# KiCad board mist1010.kicad_pcb
title: MIST.1010; date: 2024-12-15; rev: C; company: Eugene Lozovoy; note: Thickness: 1.6mm; note: Layers: 2; note: Dimensions: 100x100mm; note: Min clearance: 0.2mm; note: Min track: 0.2mm; note: Min hole: 0.3mm; note: Min annular ring: 0.15mm
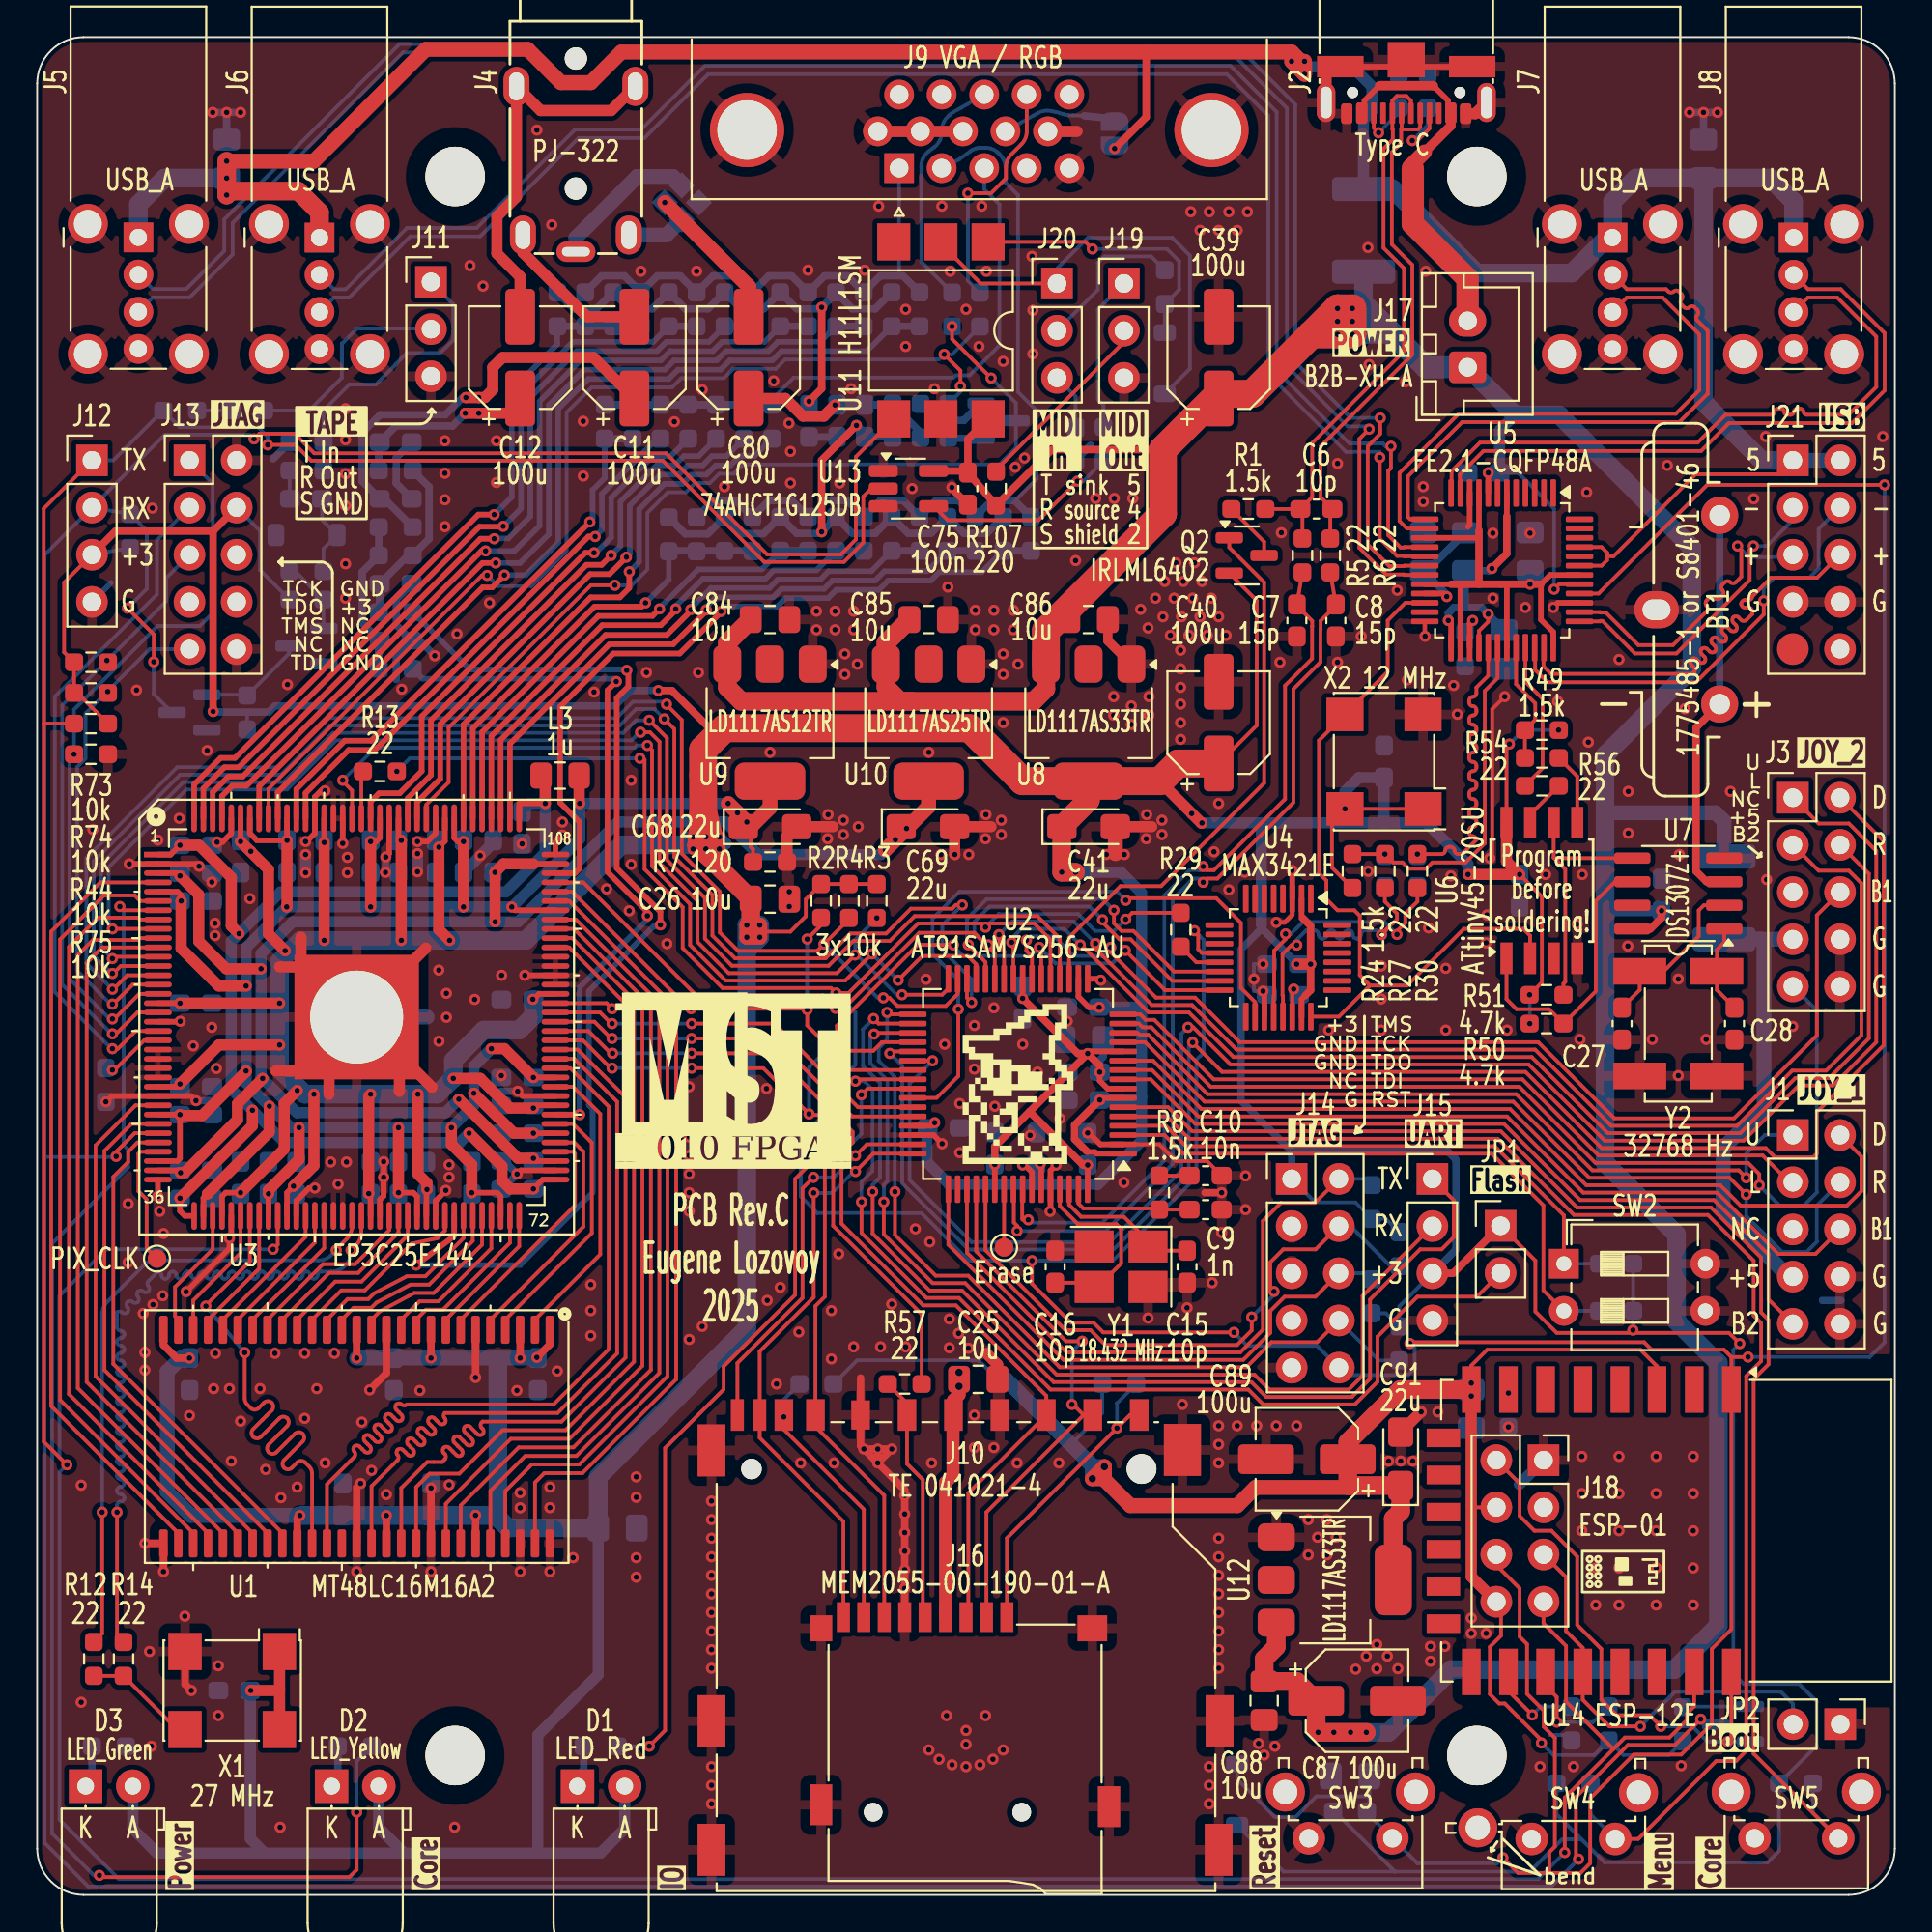
[diagram p0: board, top side]
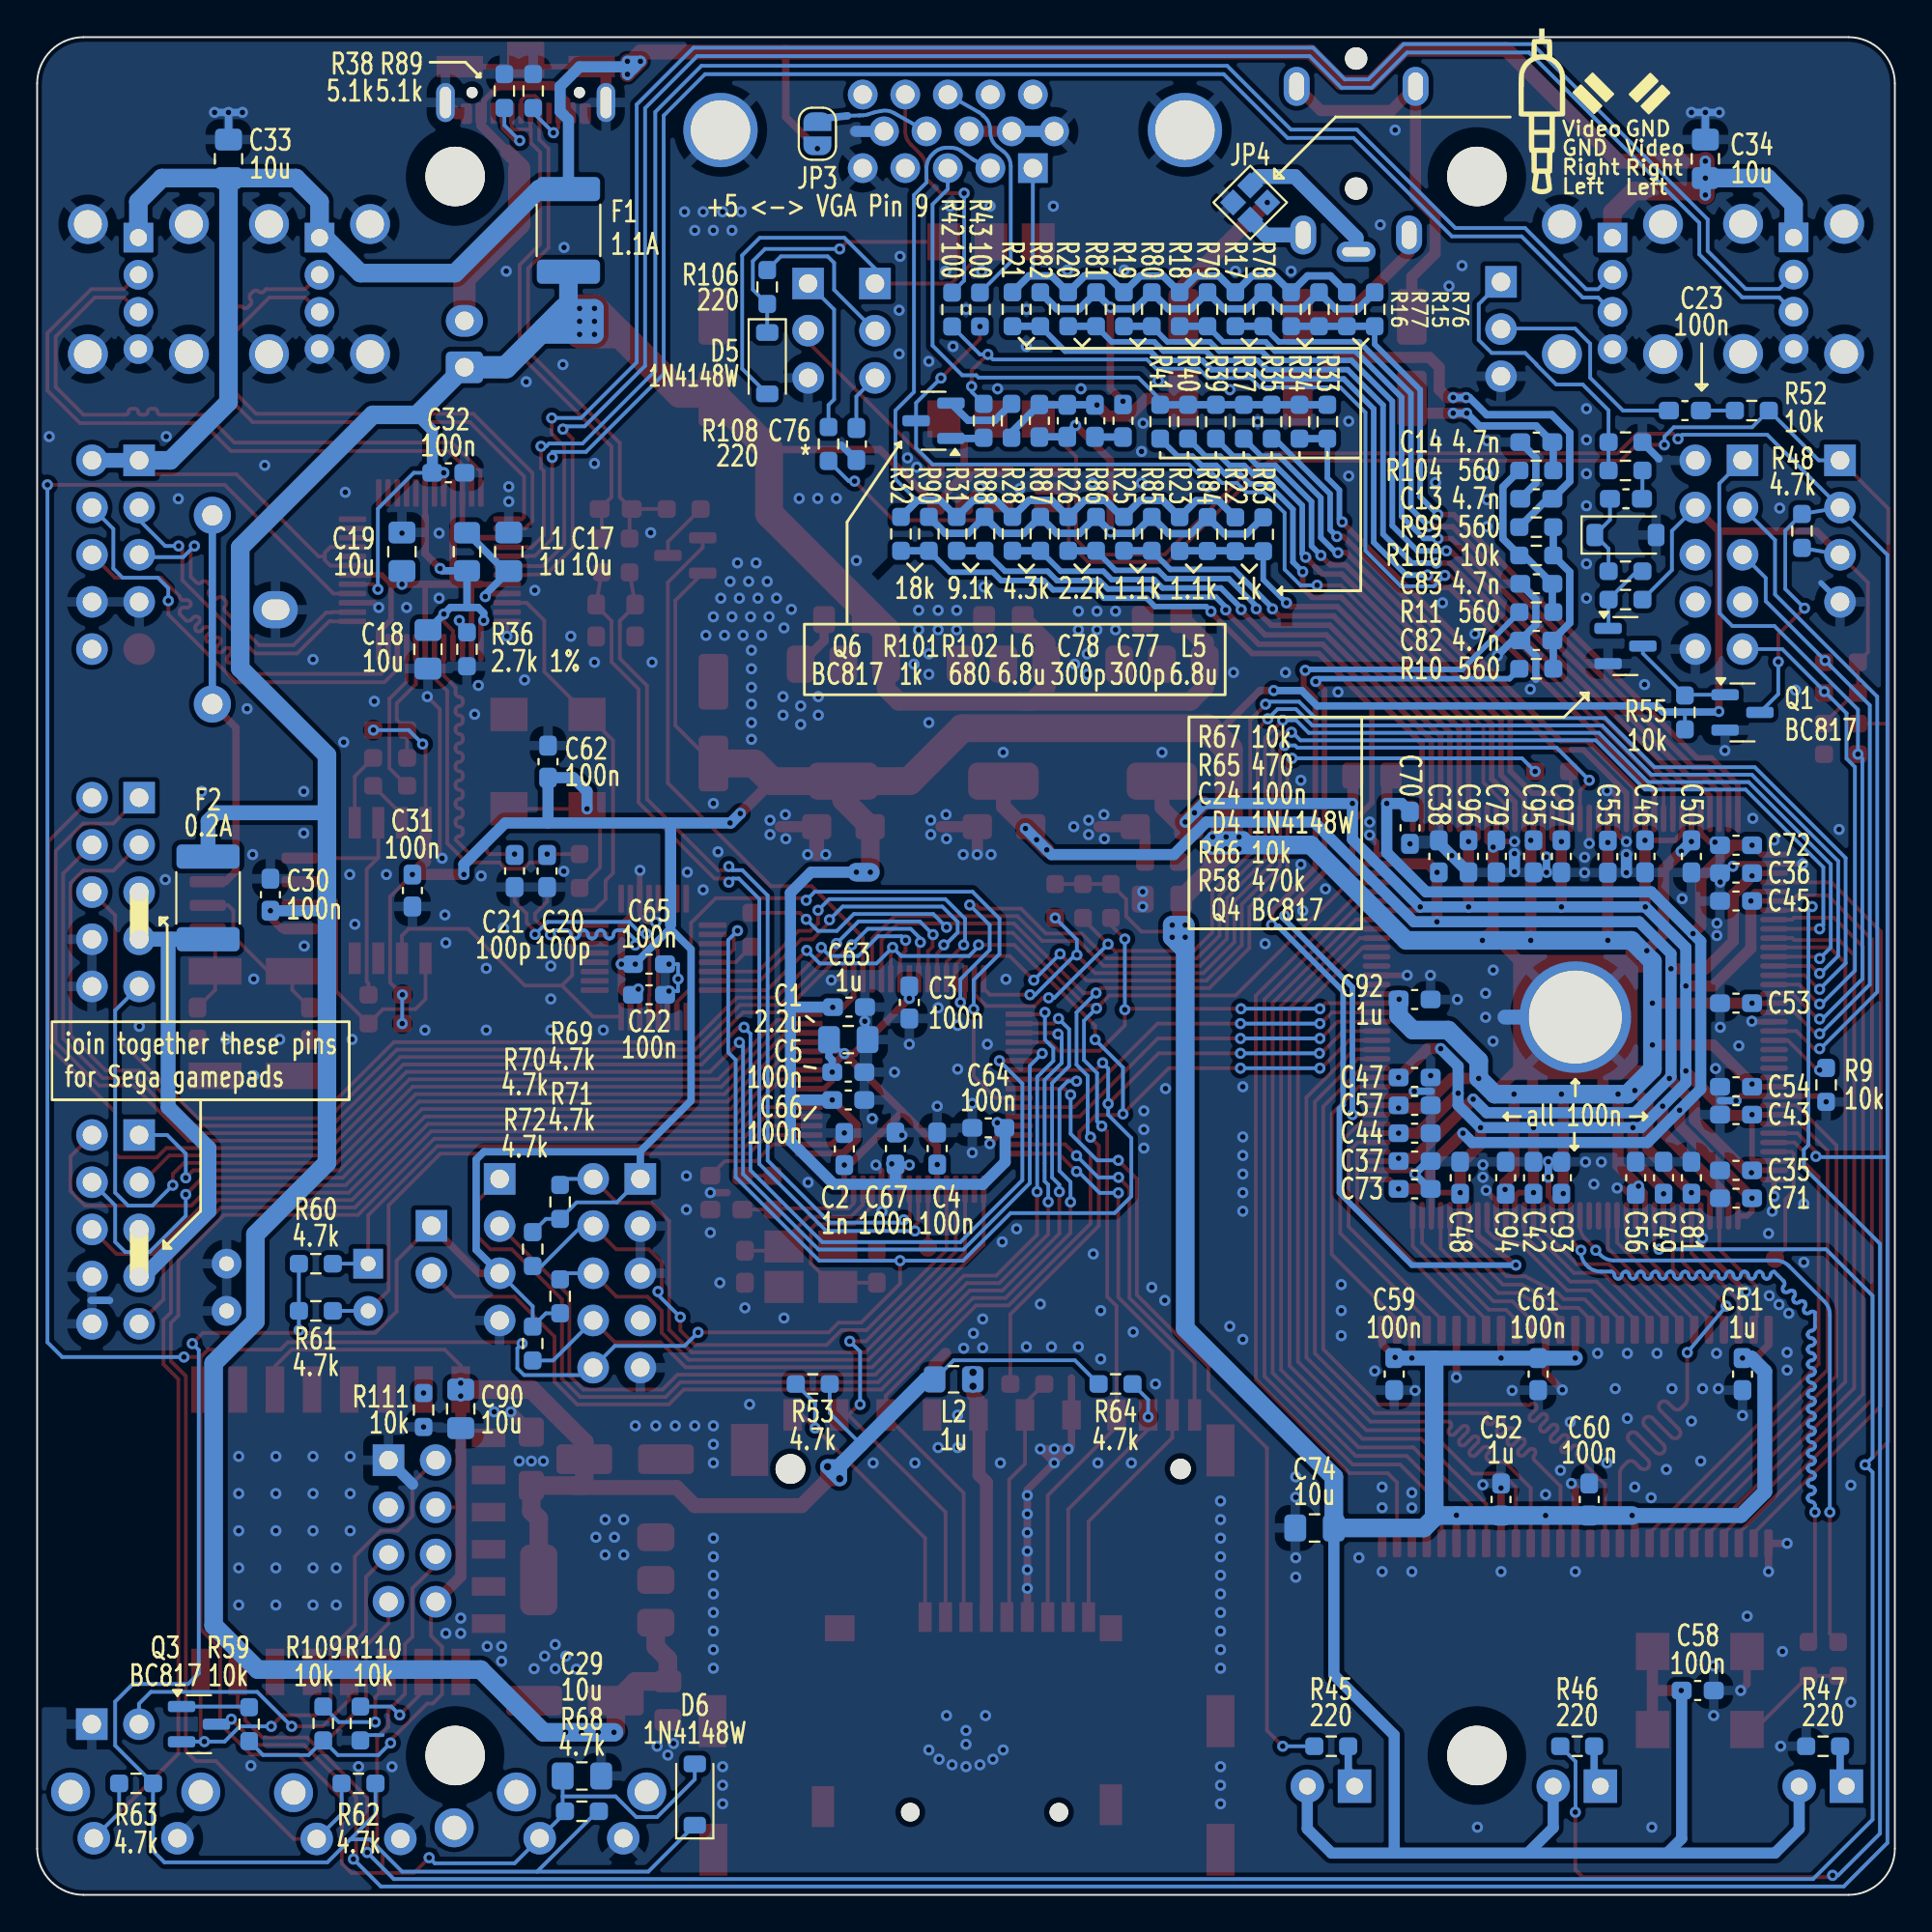
[diagram p1: board, bottom side, seen from below]

Outline 100 x 100 mm; copper layers: Top, Bottom. Coordinates in mm from the lower left corner of the outline.
Outline path: 0,97.5 0,2.5 arc(0.73,0.73) 2.5,0 97.5,0 arc(99.27,0.73) 100,2.5 100,97.5 arc(99.27,99.27) 97.5,100 2.5,100 arc(0.73,99.27) 0,97.5
Stack: Top 0.035mm / dielectric 1.51mm FR4 er 4.5 / Bottom 0.035mm

## Placement (name value [footprint] x y rotation side)
BT1  1775485-1 or S8401-46  [CR2032V]  90.57 64.1 90 top
C1  2.2u  [C_0805_2012Metric_Pad1.18x1.45mm_HandSolder]  56.34 46.04 0 bottom
C2  1n  [C_0603_1608Metric_Pad1.08x0.95mm_HandSolder]  56.55 40.15 270 bottom
C3  100n  [C_0603_1608Metric_Pad1.08x0.95mm_HandSolder]  53.05 48.04 90 bottom
C4  100n  [C_0603_1608Metric_Pad1.08x0.95mm_HandSolder]  51.55 40.18 270 bottom
C5  100n  [C_0603_1608Metric_Pad1.08x0.95mm_HandSolder]  56.34 44.29 0 bottom
C6  10p  [C_0603_1608Metric_Pad1.08x0.95mm_HandSolder]  68.86 74.6 0 top
C7  15p  [C_0603_1608Metric_Pad1.08x0.95mm_HandSolder]  67.81 68.6 270 top
C8  15p  [C_0603_1608Metric_Pad1.08x0.95mm_HandSolder]  69.91 68.6 270 top
C9  1n  [C_0603_1608Metric_Pad1.08x0.95mm_HandSolder]  62.9 36.89 0 top
C10  10n  [C_0603_1608Metric_Pad1.08x0.95mm_HandSolder]  62.9 38.71 0 top
C11  100u  [CP_Elec_5x5.9]  32.15 82.75 90 top
C12  100u  [CP_Elec_5x5.9]  26 82.75 90 top
C13  4.7n  [C_0603_1608Metric_Pad1.08x0.95mm_HandSolder]  19.3 75.15 0 bottom
C14  4.7n  [C_0603_1608Metric_Pad1.08x0.95mm_HandSolder]  19.3 78.2 0 bottom
C15  10p  [C_0603_1608Metric_Pad1.08x0.95mm_HandSolder]  61.9 33.81 270 top
C16  10p  [C_0603_1608Metric_Pad1.08x0.95mm_HandSolder]  54.8 33.81 90 top
C17  10u  [C_0805_2012Metric_Pad1.18x1.45mm_HandSolder]  74.61 72.3 270 bottom
C18  10u  [C_0805_2012Metric_Pad1.18x1.45mm_HandSolder]  78.96 67.05 90 bottom
C19  10u  [C_0805_2012Metric_Pad1.18x1.45mm_HandSolder]  80.36 72.3 270 bottom
C20  100p  [C_0603_1608Metric_Pad1.08x0.95mm_HandSolder]  72.55 55.11 270 bottom
C21  100p  [C_0603_1608Metric_Pad1.08x0.95mm_HandSolder]  74.3 55.11 270 bottom
C22  100n  [C_0603_1608Metric_Pad1.08x0.95mm_HandSolder]  67.06 48.45 0 bottom
C23  100n  [C_0603_1608Metric_Pad1.08x0.95mm_HandSolder]  11.3 79.9 180 bottom
C24  100n  [C_0603_1608Metric_Pad1.08x0.95mm_HandSolder]  14.47 75.15 180 bottom
C25  10u  [C_0805_2012Metric_Pad1.18x1.45mm_HandSolder]  50.66 27.75 180 top
C26  10u  [C_0805_2012Metric_Pad1.18x1.45mm_HandSolder]  39.45 53.6 180 top
C27  6.8p  [C_0603_1608Metric_Pad1.08x0.95mm_HandSolder]  85.32 46.9 270 top  (not fitted)
C28  6.8p  [C_0603_1608Metric_Pad1.08x0.95mm_HandSolder]  91.37 46.9 270 top  (not fitted)
C29  10u  [C_0805_2012Metric_Pad1.18x1.45mm_HandSolder]  70.68 6.4 0 bottom
C30  100n  [C_0603_1608Metric_Pad1.08x0.95mm_HandSolder]  87.44 53.84 270 bottom
C31  100n  [C_0603_1608Metric_Pad1.08x0.95mm_HandSolder]  79.8 54.06 90 bottom
C32  100n  [C_0603_1608Metric_Pad1.08x0.95mm_HandSolder]  77.86 76.55 0 bottom
C33  10u  [C_0805_2012Metric_Pad1.18x1.45mm_HandSolder]  89.7 93.45 270 bottom
C34  10u  [C_0805_2012Metric_Pad1.18x1.45mm_HandSolder]  10.2 93.45 270 bottom
C35  100n  [C_0603_1608Metric_Pad1.08x0.95mm_HandSolder]  8.55 39 180 bottom
C36  100n  [C_0603_1608Metric_Pad1.08x0.95mm_HandSolder]  8.55 55 180 bottom
C37  100n  [C_0603_1608Metric_Pad1.08x0.95mm_HandSolder]  25.85 39.5 0 bottom
C38  100n  [C_0603_1608Metric_Pad1.08x0.95mm_HandSolder]  24.55 55.9 270 bottom
C39  100u  [CP_Elec_5x5.9]  63.6 82.75 90 top
C40  100u  [CP_Elec_5x5.9]  63.6 63.1 90 top
C41  22u  [CP_EIA-3216-18_Kemet-A_Pad1.58x1.35mm_HandSolder]  56.6 57.5 0 top
C42  100n  [C_0603_1608Metric_Pad1.08x0.95mm_HandSolder]  19.45 38.6 270 bottom
C43  100n  [C_0603_1608Metric_Pad1.08x0.95mm_HandSolder]  8.55 42 180 bottom
C44  100n  [C_0603_1608Metric_Pad1.08x0.95mm_HandSolder]  25.85 41 0 bottom
C45  100n  [C_0603_1608Metric_Pad1.08x0.95mm_HandSolder]  8.55 53.5 180 bottom
C46  100n  [C_0603_1608Metric_Pad1.08x0.95mm_HandSolder]  13.45 55.9 90 bottom
C47  100n  [C_0603_1608Metric_Pad1.08x0.95mm_HandSolder]  25.85 44 0 bottom
C48  100n  [C_0603_1608Metric_Pad1.08x0.95mm_HandSolder]  23.4 38.6 270 bottom
C49  100n  [C_0603_1608Metric_Pad1.08x0.95mm_HandSolder]  12.45 38.6 270 bottom
C50  100n  [C_0603_1608Metric_Pad1.08x0.95mm_HandSolder]  10.95 55.9 90 bottom
C51  1u  [C_0603_1608Metric_Pad1.08x0.95mm_HandSolder]  8.2 28.03 90 bottom
C52  1u  [C_0603_1608Metric_Pad1.08x0.95mm_HandSolder]  21.2 21.28 270 bottom
C53  100n  [C_0603_1608Metric_Pad1.08x0.95mm_HandSolder]  8.55 48 180 bottom
C54  100n  [C_0603_1608Metric_Pad1.08x0.95mm_HandSolder]  8.55 43.5 180 bottom
C55  100n  [C_0603_1608Metric_Pad1.08x0.95mm_HandSolder]  15.45 55.89 90 bottom
C56  100n  [C_0603_1608Metric_Pad1.08x0.95mm_HandSolder]  13.95 38.6 270 bottom
C57  100n  [C_0603_1608Metric_Pad1.08x0.95mm_HandSolder]  25.85 42.5 0 bottom
C58  100n  [C_0603_1608Metric_Pad1.08x0.95mm_HandSolder]  10.61 11 0 bottom
C59  100n  [C_0603_1608Metric_Pad1.08x0.95mm_HandSolder]  26.95 28.03 90 bottom
C60  100n  [C_0603_1608Metric_Pad1.08x0.95mm_HandSolder]  16.45 21.28 270 bottom
C61  100n  [C_0603_1608Metric_Pad1.08x0.95mm_HandSolder]  19.2 28.03 90 bottom
C62  100n  [C_0603_1608Metric_Pad1.08x0.95mm_HandSolder]  72.5 61 270 bottom
C63  1u  [C_0603_1608Metric_Pad1.08x0.95mm_HandSolder]  56.3 47.79 0 bottom
C64  100n  [C_0603_1608Metric_Pad1.08x0.95mm_HandSolder]  48.8 41.29 180 bottom
C65  100n  [C_0603_1608Metric_Pad1.08x0.95mm_HandSolder]  67.06 50.1 0 bottom
C66  100n  [C_0603_1608Metric_Pad1.08x0.95mm_HandSolder]  56.34 42.79 0 bottom
C67  100n  [C_0603_1608Metric_Pad1.08x0.95mm_HandSolder]  53.8 40.18 270 bottom
C68  22u  [CP_EIA-3216-18_Kemet-A_Pad1.58x1.35mm_HandSolder]  39.45 57.5 0 top
C69  22u  [CP_EIA-3216-18_Kemet-A_Pad1.58x1.35mm_HandSolder]  47.95 57.5 0 top
C70  100n  [C_0603_1608Metric_Pad1.08x0.95mm_HandSolder]  26.1 57.44 90 bottom
C71  100n  [C_0603_1608Metric_Pad1.08x0.95mm_HandSolder]  8.55 37.5 180 bottom
C72  100n  [C_0603_1608Metric_Pad1.08x0.95mm_HandSolder]  8.55 56.5 180 bottom
C73  100n  [C_0603_1608Metric_Pad1.08x0.95mm_HandSolder]  25.85 38 0 bottom
C74  10u  [C_0805_2012Metric_Pad1.18x1.45mm_HandSolder]  31.24 19.75 180 bottom
C75  100n  [C_0603_1608Metric_Pad1.08x0.95mm_HandSolder]  50.1 75.7 90 top
C76  100n  [C_0603_1608Metric_Pad1.08x0.95mm_HandSolder]  55.9 78.1 270 bottom  (not fitted)
C77  300p  [C_0603_1608Metric_Pad1.08x0.95mm_HandSolder]  43.06 79.35 270 bottom
C78  300p  [C_0603_1608Metric_Pad1.08x0.95mm_HandSolder]  44.55 79.35 270 bottom
C79  100n  [C_0603_1608Metric_Pad1.08x0.95mm_HandSolder]  21.45 55.9 90 bottom
C80  100u  [CP_Elec_5x5.9]  38.3 82.75 90 top
C81  100n  [C_0603_1608Metric_Pad1.08x0.95mm_HandSolder]  10.95 38.6 270 bottom
C82  4.7n  [C_0603_1608Metric_Pad1.08x0.95mm_HandSolder]  19.3 67.52 0 bottom
C83  4.7n  [C_0603_1608Metric_Pad1.08x0.95mm_HandSolder]  19.3 70.57 0 bottom
C84  10u  [C_0805_2012Metric_Pad1.18x1.45mm_HandSolder]  39.45 68.65 180 top
C85  10u  [C_0805_2012Metric_Pad1.18x1.45mm_HandSolder]  47.99 68.65 180 top
C86  10u  [C_0805_2012Metric_Pad1.18x1.45mm_HandSolder]  56.6 68.65 180 top
C87  100u  [CP_Elec_5x5.9]  71.05 10.45 0 top
C88  10u  [C_0805_2012Metric_Pad1.18x1.45mm_HandSolder]  66.05 10.45 90 top
C89  100u  [CP_Elec_5x5.9]  68.35 23.45 180 top
C90  10u  [C_0805_2012Metric_Pad1.18x1.45mm_HandSolder]  77.2 26.16 90 bottom
C91  22u  [CP_EIA-3216-18_Kemet-A_Pad1.58x1.35mm_HandSolder]  73.4 23.47 90 top
C92  1u  [C_0603_1608Metric_Pad1.08x0.95mm_HandSolder]  25.85 48.2 0 bottom
C93  100n  [C_0603_1608Metric_Pad1.08x0.95mm_HandSolder]  17.95 38.6 270 bottom
C94  100n  [C_0603_1608Metric_Pad1.08x0.95mm_HandSolder]  20.95 38.6 270 bottom
C95  100n  [C_0603_1608Metric_Pad1.08x0.95mm_HandSolder]  19.45 55.9 90 bottom
C96  100n  [C_0603_1608Metric_Pad1.08x0.95mm_HandSolder]  22.95 55.9 90 bottom
C97  100n  [C_0603_1608Metric_Pad1.08x0.95mm_HandSolder]  17.95 55.9 90 bottom
D1  LED_Red  [LED_D5.0mm_Horizontal_O1.27mm_Z3.0mm]  29.09 5.85 0 top
D2  LED_Yellow  [LED_D5.0mm_Horizontal_O1.27mm_Z3.0mm]  15.85 5.85 0 top
D3  LED_Green  [LED_D5.0mm_Horizontal_O1.27mm_Z3.0mm]  2.61 5.85 0 top
D4  1N4148W  [D_SOD-123]  14.5 73.2 180 bottom
D5  1N4148W  [D_SOD-123]  60.7 82.45 270 bottom
D6  1N4148W  [D_SOD-123]  64.6 5.4 90 bottom
F1  1.1A  [Fuse_1812_4532Metric_Pad1.30x3.40mm_HandSolder]  71.4 89.6 90 bottom
F2  0.2A  [Fuse_1812_4532Metric_Pad1.30x3.40mm_HandSolder]  90.8 53.66 270 bottom
G***  LOGO  [jack35_4pin]  19 96 0 bottom
H1  Screw M3 dk=5mm L=4mm  [MountingHole_3.2mm_M3_dk5.2mm_Mask]  22.5 7.5 0 top
H2  Screw M3 dk=5mm L=4mm  [MountingHole_3.2mm_M3_dk5.2mm_Mask]  77.5 7.5 0 top
H3  Screw M3 dk=5mm L=4mm  [MountingHole_3.2mm_M3_dk5.2mm_Mask]  22.5 92.5 0 top
H4  Screw M3 dk=5mm L=4mm  [MountingHole_3.2mm_M3_dk5.2mm_Mask]  77.5 92.5 0 top
J1  Conn_02x05_Odd_Even  [PinHeader_2x05_P2.54mm_Vertical#2]  94.51 40.9 0 top
J2  USB Type C  [USB_C_Receptacle_HRO_TYPE-C-31-M-12_dangling]  73.7 99.59 180 top
J3  Conn_02x05_Odd_Even  [PinHeader_2x05_P2.54mm_Vertical#2]  94.51 59.06 0 top
J4  -  [PJ-322]  29 95.25 0 top
J5  USB_A  [USB_A_Wuerth_614004134726_Horizontal]  5.45 89.22 270 top
J6  USB_A  [USB_A_Wuerth_614004134726_Horizontal]  15.2 89.21 270 top
J7  USB_A  [USB_A_Wuerth_614004134726_Horizontal]  84.8 89.21 270 top
J8  USB_A  [USB_A_Wuerth_614004134726_Horizontal]  94.55 89.21 270 top
J9  DB15_Female_HighDensity_MountingHoles  [DSUB-15-HD_Female_Horizontal_P2.29x1.98mm_EdgePinOffset3.03mm_Housed_MountingHolesOffset4.94mm]  46.4 92.95 180 top
J10  TE 041021-4  [SD_TE_2041021-mod]  49.95 13.75 0 top
J11  PJ-392  [PinHeader_1x03_P2.54mm_Vertical]  21.2 86.82 0 top